# Altium PCB TIDA-010056.PcbDoc (part 3 of 3)
Units mm, origin at the board's own origin, x right, y up, seen from the top; angles counter-clockwise.
Board outline 69 x 70 mm, 4 copper layers (Top Layer, GND, PWR, Bottom Layer), stack 1.605 mm thick; 152 components, 93 nets, 418 pads, 601 vias.
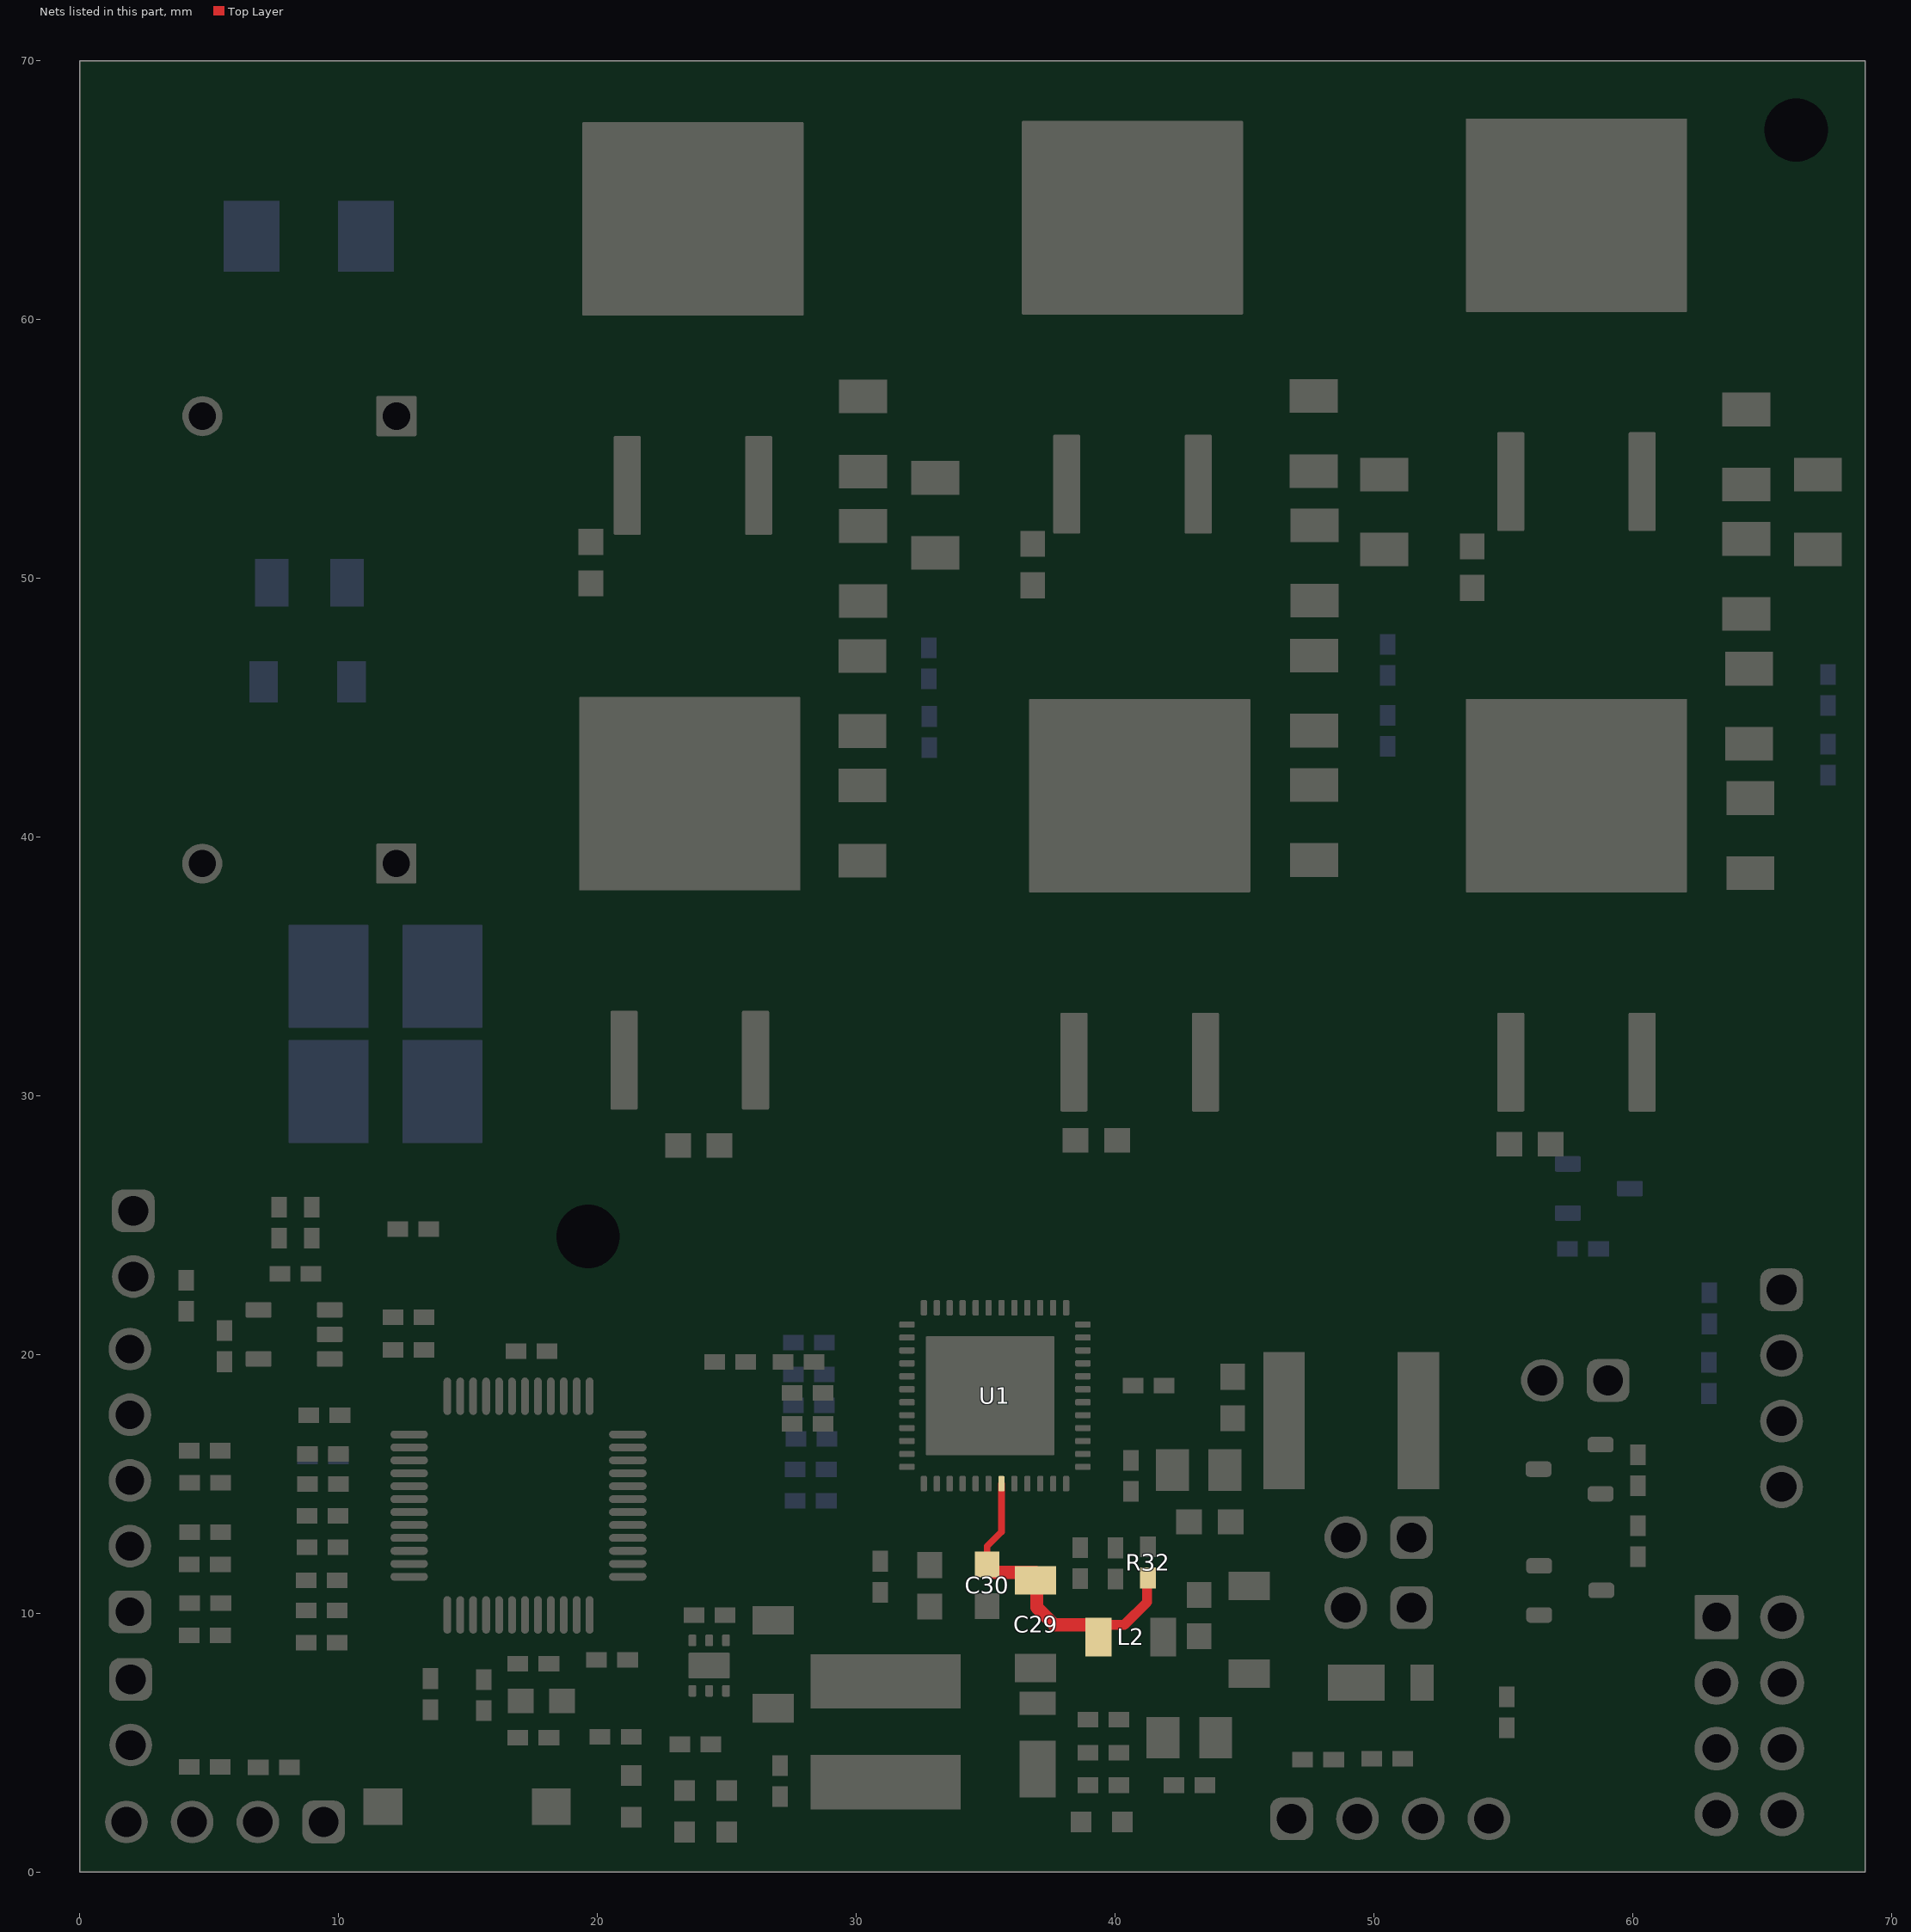
[diagram p5: the nets of this part, all layers, seen from the top]

## Via types
v1: diameter 0.61, hole 0.305, Top Layer to Bottom Layer, 476 vias
v2: diameter 0.508, hole 0.254, Top Layer to Bottom Layer, tented both sides, 108 vias
v3: diameter 0.5, hole 0.2, Top Layer to Bottom Layer, 14 vias
v4: diameter 5.08, hole 2.54, Top Layer to Bottom Layer, 3 vias

## Nets (pads, with @x,y where several pads share a name; then routed paths per layer and width w, separated by ;. In a path a pad name is that pad's centre, name@x,y a point inside that pad or via, vN(x,y) a via of type N, cw(c..) or ccw(c..) an arc to the next point about the centre after c; other vN are vias at no path point) (continued)
VIN: C29.1 C30.1 L2.2 R32.1 U1.43 | length 13.1
  Top Layer w0.254: C30.1@35.064,11.879 35.064,12.585 35.614,13.135 U1.43@35.614,15.007 ; R32.1@41.246,11.325 R32.1@41.246,11.376
  Top Layer w0.381: L2.2@39.365,9.08 39.365,9.55 40.361,9.55 41.246,10.435 R32.1@41.246,11.325
  Top Layer w0.508: C30.1@34.945,11.847 C30.1@35.021,11.923 ; C30.1@35.064,11.879 35.361,11.582 36.932,11.582 C29.1@36.932,11.276 ; C29.1@36.979,11.276 36.979,10.227 37.655,9.55 L2.2@39.365,9.55
pads on no net: H1. H2. U1.12 U1.13 U1.22 U1.23 U1.24 U1.25 U1.26 U1.49@33.606,16.927 U1.49@33.606,18.407 U1.49@33.606,19.887 U1.49@35.176,16.927 U1.49@35.176,18.407 U1.49@35.176,19.887 U1.49@36.746,16.927 U1.49@36.746,18.407 U1.49@36.746,19.887 U2.1 U2.2 U2.8 U2.10 U2.11 U2.16 U2.27 U2.28 U2.38 U2.40 U2.41 U2.44 U2.48 U3.2 U3.5

## Polygon pours and split planes (outlines as drawn)
GND on GND "GND-GND" (solid, pour order 4): 0.639,25.963 1.185,26.492 67.031,26.492 67.92,25.603 67.92,1.499 67.081,0.66 1.676,0.66 0.639,1.698
VDC on GND "Top Layer-VM" (solid, remove dead copper, pour order 84): 16.612,37.719 17.244,38.351 17.244,57.216 18.55,58.522 67.745,58.522 68.151,58.928 68.151,64.64 63.627,69.164 10.287,69.164 9.55,68.428 9.55,40.005 11.836,37.719
SHB on GND "GND-SHB" (solid, pour order 96): 49.3,37.744 50.151,38.596 50.151,56.223 49.25,57.124 36.473,57.124 35.724,56.376 35.724,38.613 36.593,37.744
SHA on GND "GND-SHA" (solid, pour order 100): 66.878,37.72 67.677,38.519 67.677,56.579 67.155,57.1 52.755,57.1 51.751,56.096 51.751,38.545 52.576,37.72
SHC on GND "GND-SHC" (solid, pour order 104): 33.4,37.745 34.149,38.494 34.149,56.348 33.372,57.125 20.014,57.125 19.315,56.426 19.315,38.677 20.248,37.745
GND on GND "Top Layer-GND" (solid, pour order 110): 10.649,27.838 11.201,28.201 11.201,36.576 8.23,39.548 8.23,68.326 7.518,69.037 1.266,69.037 0.864,68.635 0.864,28.372 1.397,27.838
SLA on GND "GND-SLA" (solid, pour order 116): 67.431,27.809 68.047,28.424 68.047,36.148 67.567,36.627 12.516,36.627 12.408,36.519 12.408,28.158 12.757,27.809
GND on GND "GND-GND 1" (solid, pour order 130): 0.881,30.13 1.639,30.887 1.639,30.936 8.904,30.936 9.74,30.1 9.74,24.178 9.284,23.723 1.537,23.723 0.881,24.379
SHC on PWR "GND-SHC" (solid, pour order 172): 33.502,37.847 34.251,38.596 34.251,56.45 33.474,57.227 20.116,57.227 19.417,56.528 19.417,38.779 20.349,37.847
SHA on PWR "GND-SHA" (solid, pour order 170): 66.979,37.822 67.779,38.621 67.779,56.68 67.257,57.202 52.857,57.202 51.853,56.198 51.853,38.647 52.677,37.822
SHB on PWR "GND-SHB" (solid, pour order 168): 49.401,37.846 50.253,38.697 50.253,56.325 49.351,57.226 36.574,57.226 35.825,56.477 35.825,38.715 36.694,37.846
3.3V on PWR "PWR-3.3V" (solid, pour order 6): 0.936,20.888 1.613,21.565 25.095,21.565 25.789,20.871 25.789,1.328 25.197,0.737 1.6,0.737 0.521,1.816
VDC on PWR "Top Layer-VM" (solid, remove dead copper, pour order 86): 16.621,37.719 17.247,38.344 17.247,57.226 18.542,58.522 67.745,58.522 68.097,58.874 68.097,64.516 63.449,69.164 10.287,69.164 9.55,68.428 9.55,40.019 11.851,37.719
GND on PWR "Top Layer-GND" (solid, pour order 112): 10.649,27.838 11.201,28.201 11.201,36.576 8.204,39.573 8.204,68.351 7.518,69.037 1.266,69.037 0.864,68.635 0.864,28.372 1.397,27.838
SLA on PWR "PWR-SLA" (solid, pour order 118): 67.615,29.693 68.071,30.148 68.071,36.069 67.513,36.627 15.57,36.627 15.164,36.22 15.164,30.099 15.57,29.693
SLA on Bottom Layer "Bottom Layer-SLA" (solid, pour order 72): 67.204,27.809 67.513,28.118 67.513,36.373 67.259,36.627 12.516,36.627 12.408,36.519 12.408,28.158 12.757,27.809
VDC on Bottom Layer "Top Layer-VM" (solid, remove dead copper, pour order 88): 16.703,37.719 17.247,38.263 17.247,57.252 18.517,58.522 67.745,58.522 68.123,58.9 68.123,64.414 63.373,69.164 10.287,69.164 9.55,68.428 9.55,39.878 11.709,37.719
SHB on Bottom Layer "Bottom Layer-SHB" (solid, pour order 90): 47.941,38.011 48.729,38.799 48.729,56.553 48.158,57.124 36.549,57.124 35.978,56.553 35.978,38.697 36.664,38.011
SHA on Bottom Layer "Bottom Layer-SHA" (solid, pour order 92): 65.543,37.986 66.102,38.545 66.102,56.452 65.543,57.011 53.123,57.011 52.361,56.249 52.361,38.99 53.364,37.986
SHC on Bottom Layer "Bottom Layer-SHC" (solid, pour order 108): 30.303,37.986 31.311,38.994 31.311,56.369 30.644,57.036 20.003,57.036 19.442,56.475 19.443,38.671 20.128,37.986
GND on Bottom Layer "Top Layer-GND" (solid, pour order 114): 10.649,27.838 11.201,28.201 11.201,36.398 8.23,39.37 8.23,68.31 7.503,69.037 1.266,69.037 0.864,68.635 0.864,28.372 1.397,27.838
SLA on Bottom Layer "Bottom Layer-SLA 1" (solid, pour order 126): 56.65,26.083 57.316,25.417 60.022,25.417 60.624,26.02 60.624,29.439 60.498,29.566 57.235,29.566 56.63,28.961
GND on Bottom Layer "GND-GND" (solid, pour order 44): 0.639,25.963 1.185,26.492 67.031,26.492 67.919,25.603 67.92,1.499 67.081,0.66 1.676,0.66 0.639,1.698
GND on Bottom Layer "Bottom Layer-GND" (solid, pour order 128): 0.893,30.054 1.651,30.812 1.651,30.861 8.916,30.861 9.752,30.025 9.752,24.103 9.296,23.647 1.549,23.647 0.893,24.304
VDC on Top Layer "Top Layer-SHB" (solid, pour order 174): 67.999,53.671 68.152,53.823 68.151,58.928 68.024,59.055 66.45,59.055 66.329,58.935 66.329,53.825 66.483,53.671
SHA on Top Layer "SHA_L01_P166" (solid, remove dead copper, pour order 166): 53.798,37.669 62.159,37.669 62.537,38.046 62.537,56.717 62.205,57.049 57.378,57.049 56.806,56.477 56.831,56.452 56.831,51.524 55.536,50.229 53.593,50.229 53.326,49.962 53.326,38.024
SHB on Top Layer "SHB_L01_P164" (solid, remove dead copper, pour order 164): 36.805,37.669 45.167,37.669 45.544,38.046 45.544,56.717 45.162,57.099 40.435,57.099 39.813,56.477 39.839,56.452 39.839,51.524 38.543,50.229 36.6,50.229 36.333,49.962 36.333,38.024
SHC on Top Layer "SHC_L01_P162" (solid, remove dead copper, pour order 162): 19.482,37.745 27.844,37.745 28.221,38.122 28.221,56.794 27.89,57.125 23.062,57.125 22.49,56.553 22.516,56.528 22.516,51.6 21.297,50.381 19.353,50.381 19.061,50.089 19.061,38.062
GND on Top Layer "GND_L01_P160" (solid, remove dead copper, pour order 160): 35.364,6.518 35.865,6.071 37.719,6.071 37.719,8.458 37.643,8.534 36.906,8.534 35.539,9.902 35.539,10.77 35.514,10.795 34.62,10.795 34.569,10.744 34.569,9.373 35.364,8.433
SLA on Top Layer "SLA_L01_P158" (solid, remove dead copper, pour order 158): 66.382,51.653 68.144,51.653 68.151,35.336 67.887,35.072 64.104,35.072 63.638,35.537 63.638,39.612 63.924,39.898 65.779,39.898 66.382,40.501
SLA on Top Layer "SLA_L01_P156" (solid, remove dead copper, pour order 156): 49.491,51.397 49.746,51.653 50.816,51.653 51.015,51.454 51.015,35.878 50.481,35.344 47.103,35.344 46.773,35.675 46.773,39.789 47.154,40.17 48.972,40.17 49.491,40.689
SLA on Top Layer "SLA_L01_P154" (solid, remove dead copper, pour order 154): 32.134,51.467 32.295,51.628 33.817,51.628 34.022,51.423 34.022,35.446 33.895,35.319 29.856,35.319 28.917,36.259 28.917,39.789 29.272,40.145 31.655,40.145 32.134,40.624
VDC on Top Layer "Top Layer-SHB" (solid, pour order 152): 33.844,53.29 33.997,53.442 33.997,58.763 33.895,58.865 32.269,58.865 32.134,58.73 32.134,53.483 32.328,53.29
VDC on Top Layer "Top Layer-SHB" (solid, pour order 148): 51.175,53.362 51.327,53.514 51.327,58.62 51.2,58.747 49.626,58.747 49.505,58.626 49.505,53.516 49.659,53.362
SHC on Top Layer "Top Layer-SHB" (solid, pour order 146): 30.822,46.339 31.177,46.694 31.177,49.499 30.909,49.768 27.824,49.768 27.545,49.488 27.545,46.533 27.739,46.339
SHA on Top Layer "Top Layer-SHB" (solid, pour order 144): 65.06,45.853 65.416,46.209 65.416,49.014 65.148,49.282 62.063,49.282 61.784,49.003 61.784,46.047 61.978,45.853
GND on Top Layer "Bottom Layer-GND" (solid, pour order 136): 0.845,30.448 1.603,31.206 1.603,31.254 8.868,31.254 11.227,28.895 11.227,24.689 10.579,24.041 1.501,24.041 0.845,24.697
GND on Top Layer "GND-GND" (solid, pour order 134): 1.027,23.791 2.084,24.816 30.201,24.816 32.304,22.713 32.304,11.569 21.77,1.035 2.064,1.035 1.027,2.073
SLA on Top Layer "Top Layer-SLA" (solid, pour order 132): 22.889,36.183 23.311,36.605 33.617,36.605 34.039,36.183 34.039,29.528 33.751,29.239 23.21,29.239 22.889,29.56
VDC on Top Layer "Top Layer-VM" (solid, remove dead copper, pour order 30): 15.672,37.719 16.906,38.954 16.906,56.911 18.517,58.522 67.745,58.522 68.144,58.921 68.144,64.52 63.5,69.164 10.287,69.164 9.55,68.428 9.55,39.624 11.455,37.719
GND on Top Layer "Top Layer-GND" (solid, pour order 32): 10.649,27.838 11.201,28.201 11.201,36.223 8.204,39.22 8.204,68.351 7.518,69.037 1.266,69.037 0.864,68.635 0.864,28.372 1.397,27.838
SLA on Top Layer "Top Layer-SLA" (solid, pour order 46): 56.831,36.284 57.111,36.564 67.576,36.564 68.071,36.069 68.071,29.389 67.778,29.096 57.01,29.096 56.831,29.275
SHB on Top Layer "Top Layer-SHB" (solid, pour order 34): 48.271,46.368 48.627,46.724 48.627,49.529 48.359,49.797 45.274,49.797 44.995,49.518 44.995,46.562 45.189,46.368
SLA on Top Layer "Top Layer-SLA" (solid, pour order 120): 40.169,36.326 40.47,36.627 50.784,36.627 51.167,36.243 51.167,29.706 50.722,29.261 40.614,29.261 40.169,29.706
SLA on Top Layer "Top Layer-SLA" (solid, pour order 124): 15.136,36.447 15.316,36.627 16.747,36.627 16.84,36.534 16.84,29.159 16.612,28.931 15.418,28.931 15.136,29.212
no net on Bottom Solder "Bottom Layer-SLA" (solid, pour order 176): 67.204,27.809 67.513,28.118 67.513,36.373 67.259,36.627 12.516,36.627 12.408,36.519 12.408,28.158 12.757,27.809
GND on Bottom Solder "Top Layer-GND" (solid): 10.649,27.838 11.201,28.201 11.201,36.576 8.23,39.548 8.23,68.326 7.518,69.037 1.266,69.037 0.864,68.635 0.864,28.372 1.397,27.838
VDC on Bottom Solder "Top Layer-VM" (solid): 68.148,64.643 64.898,64.643 63.051,66.49 63.052,69.164 10.287,69.164 9.55,68.428 9.55,40.007 11.838,37.719 16.64,37.719 17.221,38.301 17.221,57.195 18.548,58.522 67.745,58.522 68.148,58.925

## Keep-outs
Keep-Out Layer:
  circle w0.152: c66.329,67.33 r2.121
  lines w0.152: 61.617,0.381 61.619,0.383 ; 68.619,0.381 0.381,0.381 0.381,69.621 68.619,69.621 68.619,0.383
  text ".Layer_Name" at -22.483,-41.164 h1.52

## Other copper
Top Layer:
  pour cut-out: 7.264,27.12 7.31,27.178 8.854,27.178 8.966,27.066 8.966,25.197 8.941,25.171 7.366,25.171 7.264,25.263
  region: 28.344,47.593
  region net GND: 50.932,20.105 51.135,20.308 53.599,20.308 53.751,20.156 53.751,14.797 53.623,14.669 51.05,14.669 50.932,14.788
  text ".layer_Name" at -22.102,-40.898 h1.52
GND:
  pour cut-out: 35.154,35.408 35.529,35.783 35.529,36.48 35.103,36.906 34.036,36.906 33.598,36.468 33.598,35.87 34.061,35.408
  pour cut-out: 47.933,8.09 53.019,8.09 53.908,8.979 53.908,14.008 53.323,14.592 47.69,14.592 46.999,13.901 46.999,9.096
  pour cut-out: 54.412,17.628 55.403,16.637 60.178,16.637 61.168,17.628 61.168,20.162 60.147,21.184 55.326,21.184 54.412,20.269
  pour cut-out: 7.311,27.507 7.391,27.61 8.828,27.61 8.94,27.498 8.94,26.351 8.853,26.264 7.4,26.264 7.311,26.344
  text "GND" at -21.594,-41.152 h1.52
PWR:
  pour cut-out: 35.157,35.405 35.533,35.781 35.533,36.477 35.106,36.904 34.039,36.904 33.602,36.466 33.602,35.867 34.064,35.405
  text "PWR" at -20.629,-41.33 h1.52
Bottom Layer:
  pour cut-out: 35.154,35.408 35.529,35.783 35.529,36.48 35.103,36.906 34.036,36.906 33.598,36.468 33.598,35.87 34.06,35.408
  pour cut-out: 62.577,18.046 62.725,17.898 64.264,17.898 64.38,18.014 64.38,21.78 64.209,21.951 62.685,21.951 62.577,21.844
  pour cut-out: 47.747,8.23 52.832,8.23 53.721,9.119 53.721,14.148 53.137,14.732 47.504,14.732 46.812,14.04 46.812,9.236
  pour cut-out: 54.407,17.628 56.474,15.56 62.372,15.56 64.38,17.568 64.38,19.897 63.094,21.184 55.321,21.184 54.407,20.269
  pour cut-out: 7.304,27.507 7.384,27.61 8.821,27.61 8.933,27.498 8.933,26.351 8.846,26.264 7.393,26.264 7.304,26.344
  text ".Layer_Name" at -20.603,-41.152 h1.52
Multi-Layer:
  pour cut-out: 18.21,26.939 21.007,26.939 22.076,25.87 22.076,22.652 21.769,22.345 17.913,22.345 17.119,23.139 17.119,26.463 17.606,26.949
  pour cut-out: 63.051,69.491 63.051,66.49 64.891,64.65 69.911,64.65

## Silkscreen, mask and mechanical layers (free items; w line width, h text height)
Top Overlay:
  lines w0.152: 7.874,6.858 7.874,7.823 ; 16.281,8.814 16.586,8.814 16.586,8.611 ; 22.276,5.75 22.276,4.041 22.575,3.742 ; 27.601,2.264 27.797,2.068 ; 38.889,13.538 38.966,13.462 39.181,13.462 39.467,13.176 ; 40.07,13.741 40.277,13.741 40.843,13.175 ; 40.803,5.161 40.803,6.411 41.123,6.731 41.567,6.731 41.796,6.96 ; 40.919,3.083 41.101,3.083 41.885,2.299 ; 7.874,7.823 7.899,7.823 8.052,7.67 7.721,7.67 7.874,7.823
  text "VDC" at 13.284,68.148 h0.64
  text "GND" at 3.404,68.123 h0.64
  text "PHC" at 20.686,45.631 h0.64
  text "PHB" at 37.756,45.631 h0.64
  text "PHA" at 55.18,45.53 h0.64
  text "LED" at 22.352,0.254 h0.64
  text "3.3V" at 19.253,0.229 h0.64
  text "FAULT" at 24.841,0.229 h0.64
  text ".layer_Name" at -21.441,-40.847 h1.52
Bottom Overlay:
  circle w0.152: c56.54,25.335 r0.215
  text "GND" at 0.178,24.74 h0.64 r270
  text "DIR" at 0.203,22.225 h0.64 r270
  text "3.3V" at 0.203,19.304 h0.64 r270
  text "GND" at 0.229,16.815 h0.64 r270
  text "HC" at 0.178,14.58 h0.64 r270
  text "HB" at 0.127,12.167 h0.64 r270
  text "HA" at 0.152,9.398 h0.64 r270
  text "RX" at 0.127,6.858 h0.64 r270
  text "TX" at 0.102,4.216 h0.64 r270
  text "3.3V" at 2.54,0.254 h0.64
  text "GND" at 10.211,0.229 h0.64
  text "GND" at 47.625,0.229 h0.64
  text "RST" at 7.747,0.203 h0.64
  text "POT" at 50.038,0.203 h0.64
  text "3.3V" at 52.934,0.203 h0.64
  text "TEST" at 5.436,0.178 h0.64
  text "ON" at 55.194,0.178 h0.64
  text ".Layer_Name" at -22.483,-41.164 h1.52
Top Paste:
  text ".Layer_Name" at -22.788,-41.241 h1.52
Bottom Paste:
  text ".Layer_Name" at -22.788,-41.241 h1.52
Top Solder:
  text ".Layer_Name" at -22.076,-41.431 h1.52
Bottom Solder:
  pour cut-out: 62.399,28.791 58.893,28.791 57.395,27.293 67.499,27.293 67.982,27.775 67.982,28.944 64.1,28.944 63.937,28.78 62.78,28.78
  text ".Layer_Name" at -20.883,-41.33 h1.52
M1 Board Outline:
  the board outline again, w0.152
M2 Board Dimensions:
  rectangle: -22.038,-19.486 -12.513,-16.311
  rectangle: -25.213,-16.311 -22.038,-13.136
  lines w0.178: -25.213,-16.311 0.187,-16.311 ; -22.038,-19.486 -22.038,-13.136 ; -18.863,-19.486 -18.863,-13.136 ; -12.513,-19.486 -12.513,-13.136 ; -6.163,-19.486 -6.163,-13.136 ; -25.213,-19.486 -25.213,-13.136 0.187,-13.136 0.187,-19.486 -25.213,-19.486
  lines w0.254: -25.213,-21.137 -25.213,-20.629 ; -23.689,-21.391 -25.213,-20.883 ; -23.689,-20.375 -25.213,-20.883 ; -19.014,-20.883 -25.213,-20.883 ; -6.013,-20.883 0.187,-20.883 ; -1.337,-21.391 0.187,-20.883 ; -1.337,-20.375 0.187,-20.883 ; 0.187,-21.137 0.187,-20.629
  text "25.4 (mm)" at -18.76,-21.797 h1.52
M3 3D STEP Top:
  text ".Layer_Name" at -22.483,-41.164 h1.52
M4 3D STEP Bottom:
  text ".Layer_Name" at -22.483,-41.164 h1.52
M5 Assembly Top:
  circle w0.152: c57.894,14.605 r0.17
  circle w0.152: c57.234,11.831 r0.17
  circle w0.152: c59.034,18.918 r0.381
  circle w0.152: c51.642,10.076 r0.381
  circle w0.152: c51.541,12.695 r0.381
  circle w0.152: c8.687,19.837 r0.17
  circle w0.152: c1.807,7.336 r0.381
  circle w0.152: c1.807,10.054 r0.381
  circle w0.152: c9.398,1.981 r0.381
  circle w0.254: c1.88,25.73 r0.489
  circle w0.254: c46.298,1.977 r0.489
  lines w0.203: -44.555,-42.985 123.085,-42.985 ; -44.555,-37.82 123.135,-37.82 ; -44.555,-32.655 -44.555,-48.149 57.172,-48.149 123.135,-48.149 123.135,-32.656 -44.543,-32.656 -44.543,-48.149 ; 18.056,-48.149 18.056,-32.656 ; 50.237,-37.82 50.237,-32.656 ; 71.573,-37.82 71.573,-32.656 ; 87.372,-48.315 87.372,-43.163
  text "COMPONENTS MARKED 'DNP' SHOULD NOT BE POPULATED." at -7.84,-27.448 h0.51
  text "ASSEMBLY VARIANT:" at -7.852,-30.382 h0.51
  text ".VariantName" at 18.462,-30.382 h0.51
  text "ALL ARTWORK VIEWED FROM TOP SIDE" at -42.942,-36.013 h0.51
  text "BOARD #:" at 19.961,-36.013 h0.51
  text ".PRJ_Number" at 33.816,-36.013 h0.51
  text "REV:" at 55.267,-36.013 h0.51
  text ".PCB_Rev" at 62.671,-36.013 h0.51
  text "SVN REV:" at 76.552,-36.013 h0.51
  text ".VersionControl_RevNumber" at 89.404,-36.013 h0.51
  text ".layer_Name" at -23.55,-40.644 h0.51
  text "LAYER NAME =" at -43.108,-40.822 h0.51
  text ".TID" at 29.997,-41.072 h0.51
  text "TID #:" at 19.681,-41.245 h0.51
  text ".plot_File_Name" at -43.158,-45.622 h0.51
  text "GENERATED    :" at 20.011,-46.393 h0.51
  text ".Print_Date" at 42.097,-46.393 h0.51
  text ".Print_Time" at 60.613,-46.393 h0.51
  text "TEXAS INSTRUMENTS" at 92.732,-46.393 h0.51
M6 Assembly Bottom:
  circle w0.152: c58.369,25.425 r0.18
  lines w0.152: -44.568,-37.833 123.123,-37.833 ; -44.517,-42.998 123.123,-42.998 ; 6.994,-37.833 6.994,-32.668 ; 60.512,-48.162 60.512,-32.668 ; 83.092,-48.162 123.11,-48.162 123.11,-32.668 -44.568,-32.668 -44.568,-48.162 21.396,-48.162 123.123,-48.162 123.123,-32.668
  text "COMPONENTS MARKED 'DNP' SHOULD NOT BE POPULATED." at 117.852,-27.436 h0.51
  text ".VariantName" at 91.335,-30.382 h0.51
  text "ASSEMBLY VARIANT:" at 117.725,-30.382 h0.51
  text "SVN REV:" at 2.016,-36.025 h0.51
  text ".PCB_Rev" at 15.897,-36.025 h0.51
  text "REV:" at 23.301,-36.025 h0.51
  text ".PRJ_Number" at 44.751,-36.025 h0.51
  text "BOARD #:" at 58.607,-36.025 h0.51
  text "PCB VIEWED FROM BOTTOM SIDE" at 121.51,-36.025 h0.51
  text ".TID" at 48.463,-40.665 h0.51
  text "LAYER NAME =" at 121.383,-40.72 h0.51
  text "TID #:" at 58.779,-40.839 h0.51
  text ".Layer_Name" at 101.749,-40.898 h0.51
  text ".Print_Time" at 17.954,-46.405 h0.51
  text ".Print_Date" at 36.471,-46.405 h0.51
  text "GENERATED    :" at 58.556,-46.405 h0.51
  text ".plot_File_Name" at 101.05,-46.405 h0.51
  text "PLOT NAME =" at 121.51,-46.405 h0.51
M9 Title Sheet:
  drawing of 57 lines, arcs and shapes, not listed
  text "1" at -18.347,184.769 h1.78
  text "2" at 45.043,184.769 h1.78
  text "3" at 108.272,184.769 h1.78
  text "4" at 171.942,184.769 h1.78
  text "5" at 235.416,184.769 h1.78
  text "6" at 299.043,184.769 h1.78
  text "A" at -47.718,155.736 h1.78
  text "A" at 328.202,155.736 h1.78
  text "B" at -47.718,95.284 h1.78
  text "B" at 328.202,95.284 h1.78
  text "C" at -47.718,34.959 h1.78
  text "C" at 328.202,34.959 h1.78
  text "PROJECT TITLE:" at 250.986,-12.31 h1.14
  text ".PRJ_Title" at 254.86,-15.726 h1.27
  text "DESIGNED FOR:" at 250.986,-19.955 h1.14
  text ".PRJ_Customer" at 252.256,-23.511 h1.78
  text "D" at -47.718,-25.239 h1.78
  text "D" at 328.202,-25.239 h1.78
  text "FILE NAME:" at 250.986,-27.575 h1.14
  text ".PCB_File_Name_No_Path" at 252.256,-30.623 h1.78
  text "Texas Instruments (TI) and/or its licensors do not warrant the accuracy or completeness of this specification" at 124.761,-34.734 h1.14
  text "ENGINEER:" at 250.986,-34.941 h1.14
  text "LAYOUT BY:" at 289.213,-34.941 h1.14
  text "or any information contained therein. TI and/or its licensors do not warrant that this design will meet" at 123.618,-37.596 h1.14
  text ".PRJ_Engineer" at 252.256,-38.878 h1.78
  text ".PCB_Layout" at 290.496,-38.878 h1.78
  text "the specifications, will be suitable for your application or fit for any particular purpose, or will operate in" at 123.618,-40.458 h1.14
  text "ALTIUM DESIGNER VERSION:" at 289.213,-42.815 h1.14
  text "an implementation. TI and/or its licensors do not warrant that the design is production worthy. You should" at 123.618,-43.319 h1.14
  text "completely validate and test your design implementation to confirm the system functionality for your application." at 124.761,-46.181 h1.14
  text ".print_Scale" at 252.256,-46.202 h1.78
  text ".Application_BuildNumber" at 290.496,-46.202 h1.78
  text "2" at 45.043,-51.451 h1.78
  text "3" at 108.272,-51.451 h1.78
  text "4" at 171.942,-51.451 h1.78
  text "5" at 235.416,-51.451 h1.78
  text "6" at 299.043,-51.451 h1.78
M10 Fab Notes:
  drawing of 228 lines, arcs and shapes, not listed
  text "DESIGN INFORMATION" at 277.339,153.615 h1.52
  text "(REFER ALSO ARRAY/PANEL PROFILING INFORMATION)" at 268.156,149.508 h1.52
  text "BOARD SIZE" at 250.731,149.399 h1.52
  text "69mm" at 262.474,146.152 h1.52
  text "X" at 275.318,146.152 h1.52
  text "70mm" at 281.194,146.152 h1.52
  text "Number of Layers :" at 260.967,141.144 h1.52
  text "4" at 288.776,140.89 h1.52
  text "MIN. TRACK WIDTH:" at 260.967,137.613 h1.52
  text "8" at 288.812,137.613 h1.52
  text "MIL" at 292.743,137.613 h1.52
  text "MIN. CLEARANCE:" at 260.967,134.261 h1.52
  text "MIL" at 292.743,134.261 h1.52
  text "7" at 287.804,134.184 h1.52
  text "MIN. VIA DRILL SIZE:" at 260.967,130.908 h1.52
  text "MIL" at 292.743,130.908 h1.52
  text "7.87" at 286.28,130.832 h1.52
  text "5.91 MIL" at 278.62,127.308 h1.52
  text "MINIMUM ANNULAR RING" at 252.605,127.2 h1.52
  text "EXTERNAL" at 296.604,127.2 h1.52
  text "PER" at 257.685,124.202 h1.52
  text "IPC-D-275 CLASS 2 LEVEL C" at 263.273,124.202 h1.52
  text "MIL, HOLES" at 301.074,121.35 h1.52
  text "+/-" at 291.106,121.332 h1.52
  text "+/-" at 312.797,121.332 h1.52
  text "REGISTRATION TOLERANCES:" at 252.605,121.205 h1.52
  text "METAL" at 283.079,121.205 h1.52
  text "5" at 297.715,121.205 h1.52
  text "3" at 318.873,121.205 h1.52
  text "MIL" at 321.826,121.205 h1.52
  text "MATERIAL:" at 250.706,115.885 h1.52
  text "FR-4 High Tg" at 275.762,112.32 h1.52
  text "X" at 271.7,112.137 h1.52
  text "FR-408" at 261.399,112.103 h1.52
  text "OTHER" at 299.194,112.103 h1.52
  text "63 MIL (1.6mm) +/-10%" at 269.53,107.97 h1.52
  text "THICKNESS:" at 252.605,107.861 h1.52
  text "X" at 266.274,107.861 h1.52
  text "OTHER" at 302.166,107.861 h1.52
  text "TOLERANCE:" at 252.605,103.848 h1.52
  text "X" at 273.923,103.848 h1.52
  text "ANSI IPC-6012 TYPE 3 CLASS 2" at 278.672,103.848 h1.52
  text "OTHER +/-" at 278.671,99.885 h1.52
  text "BOW & TWIST:" at 252.605,95.897 h1.52
  text "X" at 273.923,95.897 h1.52
  text "ANSI IPC-6012 TYPE 3 CLASS 2" at 278.672,95.897 h1.52
  text "OTHER +/-" at 278.671,91.871 h1.52
  text "COPPER THICKNESS (FINISHED):" at 250.706,88.43 h1.52
  text "1.4MIL (1oz)" at 273.058,84.551 h1.52
  text "2MIL (1.4oz)" at 292.54,84.551 h1.52
  text "2.8MIL (2oz)" at 311.005,84.551 h1.52
  text "X" at 307.641,84.502 h1.52
  text "OUTER:" at 259.774,84.442 h1.52
  text "1.4MIL (1oz)" at 273.058,80.563 h1.52
  text "2.8MIL (2oz)" at 292.54,80.563 h1.52
  text "N/A" at 310.994,80.572 h1.52
  text "X" at 289.582,80.489 h1.52
  text "INNER SIGNAL:" at 252.431,80.454 h1.52
  text "DRILLING:" at 250.706,76.924 h1.52
  text "REFERENCE:" at 252.605,73.952 h1.52
  text "X" at 269.07,73.952 h1.52
  text "AS SHOWN" at 273.82,73.952 h1.52
  text "X" at 291.955,73.952 h1.52
  text "NC_DRILL FILES" at 295.435,73.952 h1.52
  text "PTH MIN COPPER THICKNESS:" at 252.605,69.939 h1.52
  text "X" at 286.901,69.939 h1.52
  text "1MIL" at 290.381,69.939 h1.52
  text "OTHER" at 303.004,69.939 h1.52
  text "BOARD FINISH:" at 250.706,65.9 h1.52
  text "SILKSCREEN:" at 254.649,62.903 h1.52
  text "X" at 278.747,62.903 h1.52
  text "TOP" at 281.948,62.903 h1.52
  text "X" at 291.701,62.903 h1.52
  text "BOTTOM" at 294.927,62.903 h1.52
  text "SILKSCREEN COLOR:" at 254.649,58.661 h1.52
  text "X" at 278.721,58.661 h1.52
  text "WHITE" at 281.948,58.661 h1.52
  text "OTHER" at 294.927,58.661 h1.52
  text "SOLDER RESIST COLOR:" at 254.649,54.343 h1.52
  text "X" at 269.069,50.299 h1.52
  text "GREEN" at 272.296,50.299 h1.52
  text "BLUE" at 287.307,50.299 h1.52
  text "OTHER" at 300.972,50.299 h1.52
  text "IMMERSION GOLD (ENIG)" at 277.655,45.511 h1.52
  text "ENEPIG" at 311.629,45.428 h1.52
  text "SURFACE FINISH:" at 250.706,45.402 h1.52
  text "X" at 272.907,45.402 h1.52
  text "IMM. TIN/SILVER OR EQUIV" at 259.076,41.414 h1.52
  text "OTHER" at 295.435,41.414 h1.52
  text "ARRAY/PANEL:" at 250.706,36.868 h1.52
  text "CUT AND TRIM PER MECH LAYER 1" at 277.655,36.759 h1.52
  text "N.C. ROUTE" at 277.655,32.905 h1.52
  text "X" at 294.902,32.905 h1.52
  text "V. SCORE" at 299.652,32.905 h1.52
  text "CERTIFICATION:" at 250.706,29.426 h1.52
  text "MATERIALS AND WORKMANSHIP FOR ALL PCBS" at 269.121,29.426 h1.52
  text "TO MEET OR EXCEED THE REQUIREMENTS OF:" at 269.121,26.936 h1.52
  text "X" at 259.634,23.469 h1.52
  text "ANSI IPC-A-600F CLASS ->" at 263.165,23.469 h1.52
  text "X" at 304.797,23.469 h1.52
  text "2" at 307.818,23.469 h1.52
  text "1" at 299.817,23.431 h1.52
  text "3" at 316.809,23.431 h1.52
  text "X" at 259.686,19.418 h1.52
  text "UL 94V-0" at 263.165,19.418 h1.52
  text "X" at 280.311,19.418 h1.52
  text "RoHS" at 283.789,19.418 h1.52
  text "OTHER" at 300.157,19.418 h1.52
  text "PER ORDER" at 310.243,19.418 h1.52
  text "VIA TENTING:" at 281.631,16.024 h1.52
  text "X" at 300.896,15.913 h1.52
  text "ADDITIONAL REQUIREMENTS:" at 250.706,15.837 h1.52
  text "YES" at 295.593,15.793 h1.52
  text "NO" at 304.859,15.66 h1.52
  text "MICROSECTION:" at 252.605,12.916 h1.52
  text "YES" at 275.611,12.916 h1.52
  text "IMPEDANCE CONTROL:" at 282.19,12.747 h1.52
  text "YES" at 307.184,12.722 h1.52
  text "X" at 320.951,12.544 h1.52
  text "NO" at 316.721,12.282 h1.52
  text "REQUIRED" at 297.493,8.95 h1.52
  text "BARE BOARD ELEC. TEST:" at 252.605,8.877 h1.52
  text "NONE" at 285.771,8.877 h1.52
  text "X" at 294.267,8.877 h1.52
  text "PER ORDER" at 312.529,8.877 h1.52
  text "NOTE :" at 85.573,6.883 h1.52
  text "MANUFACTURER'S UL:" at 252.605,4.889 h1.52
  text "RAIL" at 282.215,4.78 h1.52
  text "METAL" at 294.707,4.78 h1.52
  text "X" at 304.237,4.771 h1.52
  text "SILK" at 307.703,4.78 h1.52
  text "Only 10 mil vias are tented , others are not tented." at 92.227,4.293 h1.52
M11 Gerber Information:
  lines w0.203: -44.555,-42.985 123.085,-42.985 ; -44.555,-37.82 123.135,-37.82 ; -44.555,-32.655 -44.555,-48.149 57.172,-48.149 123.135,-48.149 123.135,-32.656 -44.543,-32.656 -44.543,-48.149 ; 18.056,-48.149 18.056,-32.656 ; 50.237,-37.82 50.237,-32.656 ; 71.573,-37.82 71.573,-32.656 ; 87.372,-48.315 87.372,-43.163
  text "BOARD #:" at 19.961,-36.013 h1.52
  text ".PRJ_Number" at 33.816,-36.013 h1.52
  text "REV:" at 55.267,-36.013 h1.52
  text ".PCB_Rev" at 62.671,-36.013 h1.52
  text "SVN REV:" at 76.552,-36.013 h1.52
  text ".VersionControl_RevNumber" at 89.404,-36.013 h1.52
  text "ALL ARTWORK VIEWED FROM TOP SIDE" at -42.968,-36.165 h1.52
  text "LAYER NAME =" at -43.006,-40.822 h1.52
  text ".TID" at 29.997,-41.021 h1.52
  text "TID #:" at 19.681,-41.194 h1.52
  text ".plot_File_Name" at -43.209,-45.876 h1.52
  text "GENERATED    :" at 20.011,-46.393 h1.52
  text ".Print_Date" at 42.097,-46.393 h1.52
  text ".Print_Time" at 60.613,-46.393 h1.52
  text "TEXAS INSTRUMENTS" at 92.732,-46.393 h1.52
M12 Stackup:
  drawing of 295 lines, arcs and shapes, not listed
  text "Layer" at 82.69,106.185 h1.52
  text "Name" at 93.101,106.185 h1.52
  text "Material" at 116.717,106.185 h1.52
  text "Thickness" at 138.555,106.185 h1.52
  text "Constant" at 155.061,106.185 h1.52
  text "Board Layer Stack" at 169.535,106.185 h1.52
  text "1" at 82.69,103.137 h1.52
  text "Top Overlay" at 93.101,103.137 h1.52
  text "2" at 82.69,100.089 h1.52
  text "Top Solder" at 93.101,100.089 h1.52
  text "Solder Resist" at 116.717,100.089 h1.52
  text "0,40mil" at 138.555,100.089 h1.52
  text "3,5" at 155.061,100.089 h1.52
  text "3" at 82.69,97.041 h1.52
  text "Top Layer" at 93.101,97.041 h1.52
  text "Copper" at 116.717,97.041 h1.52
  text "2,80mil" at 138.555,97.041 h1.52
  text "4" at 82.69,93.993 h1.52
  text "Dielectric1" at 93.101,93.993 h1.52
  text "FR-4 High Tg" at 116.717,93.993 h1.52
  text "20,00mil" at 138.555,93.993 h1.52
  text "4,2" at 155.061,93.993 h1.52
  text "5" at 82.69,90.945 h1.52
  text "GND" at 93.101,90.945 h1.52
  text "Copper" at 116.717,90.945 h1.52
  text "2,80mil" at 138.555,90.945 h1.52
  text "6" at 82.69,87.897 h1.52
  text "Dielectric 3" at 93.101,87.897 h1.52
  text "FR-4 High Tg" at 116.717,87.897 h1.52
  text "12,00mil" at 138.555,87.897 h1.52
  text "4,2" at 155.061,87.897 h1.52
  text "7" at 82.69,84.849 h1.52
  text "PWR" at 93.101,84.849 h1.52
  text "Copper" at 116.717,84.849 h1.52
  text "2,80mil" at 138.555,84.849 h1.52
  text "8" at 82.69,81.801 h1.52
  text "Dielectric 2" at 93.101,81.801 h1.52
  text "FR-4 High Tg" at 116.717,81.801 h1.52
  text "20,00mil" at 138.555,81.801 h1.52
  text "4,2" at 155.061,81.801 h1.52
  text "9" at 82.69,78.753 h1.52
  text "Bottom Layer" at 93.101,78.753 h1.52
  text "Copper" at 116.717,78.753 h1.52
  text "2,80mil" at 138.555,78.753 h1.52
  text "10" at 82.69,75.705 h1.52
  text "Bottom Solder" at 93.101,75.705 h1.52
  text "Solder Resist" at 116.717,75.705 h1.52
  text "0,40mil" at 138.555,75.705 h1.52
  text "3,5" at 155.061,75.705 h1.52
  text "11" at 82.69,72.657 h1.52
  text "Bottom Overlay" at 93.101,72.657 h1.52
M13 Component Bodies Top:
  text ".Layer_Name" at -22.483,-41.164 h1.52
M14 Component Bodies Bottom:
  text ".Layer_Name" at -22.483,-41.164 h1.52
M15 Courtyards Top:
  text ".Layer_Name" at -22.483,-41.164 h1.52
M16 Courtyards Bottom:
  text ".Layer_Name" at -22.483,-41.164 h1.52
Drill Drawing:
  circle w0.254: c84.395,56.168 r0.847
  circle w0.254: c84.395,40.928 r0.508
  circle w0.254: c84.395,40.928 r0.847
  lines w0.254: 83.548,30.345 85.241,30.345 84.395,28.651 83.548,30.345 ; 83.548,33.308 84.395,32.461 85.241,33.308 84.395,34.155 83.548,33.308 ; 83.548,36.271 85.241,36.271 85.241,37.965 83.548,37.965 83.548,36.271 ; 83.548,44.315 83.971,44.315 83.971,43.891 84.818,43.891 84.818,44.315 85.241,44.315 85.241,45.161 84.818,45.161 84.818,45.585 83.971,45.585 83.971,45.161 83.548,45.161 83.548,44.315 ; 83.548,47.701 85.241,47.701 85.241,49.395 83.548,49.395 83.548,47.701 ; 83.548,51.511 84.395,51.935 85.241,51.511 84.818,52.358 85.241,53.205 84.395,52.781 83.548,53.205 83.971,52.358 83.548,51.511 ; 83.548,59.555 83.971,59.555 83.971,59.131 84.818,59.131 84.818,59.555 85.241,59.555 85.241,60.401 84.818,60.401 84.818,60.825 83.971,60.825 83.971,60.401 83.548,60.401 83.548,59.555 ; 83.887,36.61 84.903,36.61 84.903,37.626 83.887,37.626 83.887,36.61 ; 83.887,59.724 84.141,59.724 84.141,59.47 84.649,59.47 84.649,59.724 84.903,59.724 84.903,60.232 84.649,60.232 84.649,60.486 84.141,60.486 84.141,60.232 83.887,60.232 83.887,59.724
  lines w0.381: 82.029,27.508 193.048,27.508 ; 82.029,61.798 193.048,61.798 ; 96.022,23.698 96.022,65.608 ; 111.258,23.698 111.258,65.608 ; 140.967,23.698 140.967,65.608 ; 153.816,23.698 153.816,65.608 ; 82.029,23.698 193.048,23.698 193.048,65.608 82.029,65.608 82.029,23.698
  text "Symbol" at 84.315,62.941 h1.83
  text "Count" at 97.165,62.941 h1.83
  text "Hole Size" at 112.401,62.941 h1.83
  text "Plated" at 142.11,62.941 h1.83
  text "Drill Layer Pair" at 154.959,62.941 h1.83
  text "14" at 97.165,59.131 h1.52
  text "7,87mil (0,200mm)" at 112.401,59.131 h1.52
  text "PTH" at 142.11,59.131 h1.52
  text "Top Layer - Bottom Layer" at 154.959,59.131 h1.52
  text "108" at 97.165,55.321 h1.52
  text "10,00mil (0,254mm)" at 112.401,55.321 h1.52
  text "PTH" at 142.11,55.321 h1.52
  text "Top Layer - Bottom Layer" at 154.959,55.321 h1.52
  text "476" at 97.165,51.511 h1.52
  text "12,00mil (0,305mm)" at 112.401,51.511 h1.52
  text "PTH" at 142.11,51.511 h1.52
  text "Top Layer - Bottom Layer" at 154.959,51.511 h1.52
  text "4" at 97.165,47.701 h1.52
  text "41,34mil (1,050mm)" at 112.401,47.701 h1.52
  text "PTH" at 142.11,47.701 h1.52
  text "Top Layer - Bottom Layer" at 154.959,47.701 h1.52
  text "8" at 97.165,43.891 h1.52
  text "43,31mil (1,100mm)" at 112.401,43.891 h1.52
  text "PTH" at 142.11,43.891 h1.52
  text "Top Layer - Bottom Layer" at 154.959,43.891 h1.52
  text "5" at 97.165,40.081 h1.52
  text "43,31mil (1,100mm)" at 112.401,40.081 h1.52
  text "PTH" at 142.11,40.081 h1.52
  text "Top Layer - Bottom Layer" at 154.959,40.081 h1.52
  text "22" at 97.165,36.271 h1.52
  text "45,28mil (1,150mm)" at 112.401,36.271 h1.52
  text "PTH" at 142.11,36.271 h1.52
  text "Top Layer - Bottom Layer" at 154.959,36.271 h1.52
  text "2" at 97.165,32.461 h1.52
  text "96,46mil (2,450mm)" at 112.401,32.461 h1.52
  text "NPTH" at 142.11,32.461 h1.52
  text "Top Layer - Bottom Layer" at 154.959,32.461 h1.52
  text "3" at 97.165,28.651 h1.52
  text "100,00mil (2,540mm)" at 112.401,28.651 h1.52
  text "PTH" at 142.11,28.651 h1.52
  text "Top Layer - Bottom Layer" at 154.959,28.651 h1.52
  text "642 Total" at 97.165,24.841 h1.52
  text "FOR 7.874MIL DRILL +0/-7.874MIL" at 85.065,20.447 h1.52
  text "FOR 10MIL DRILL +0/-10MIL" at 85.02,18.136 h1.52
  text "FOR 10MIL DRILL +0/-10MIL" at 85.02,15.824 h1.52
  text "FOR PTH DRILL +/-3MIL" at 85.065,13.513 h1.52
  text "FOR NPTH DRILL +/-2MIL" at 85.02,11.201 h1.52
  text ".layer_Name" at -19.816,-40.745 h1.52

## Dimensions
0,0 to 0,70.002 on M2 Board Dimensions
0,0 to 69,0 on M2 Board Dimensions

## Text inside footprints (layer, text, board x,y; h text height)
C1: Top Overlay "+" at 18.044,38.074 h1.52 r180; M5 Assembly Top "+" at 13.562,39.179 h0.51 r180
C2: Top Overlay "+" at 18.126,55.956 h1.52 r180; M5 Assembly Top "+" at 13.64,56.553 h0.51 r180
Logo2: Top Overlay "Pb" at 58.202,5.63 h1.52
Logo4: Bottom Overlay "For evaluation only; not FCC approved for resale." at 48.844,5.029 h1.52
ZZ1: M5 Assembly Top "Install label in silkscreened box after final wash.  Text shall be 8 pt font.  Text shall be per the Label Table in the PDF schematic." at -1.27,89.738 h0.51